# Allegro board 6089-103-RevB_76.brd (continued)
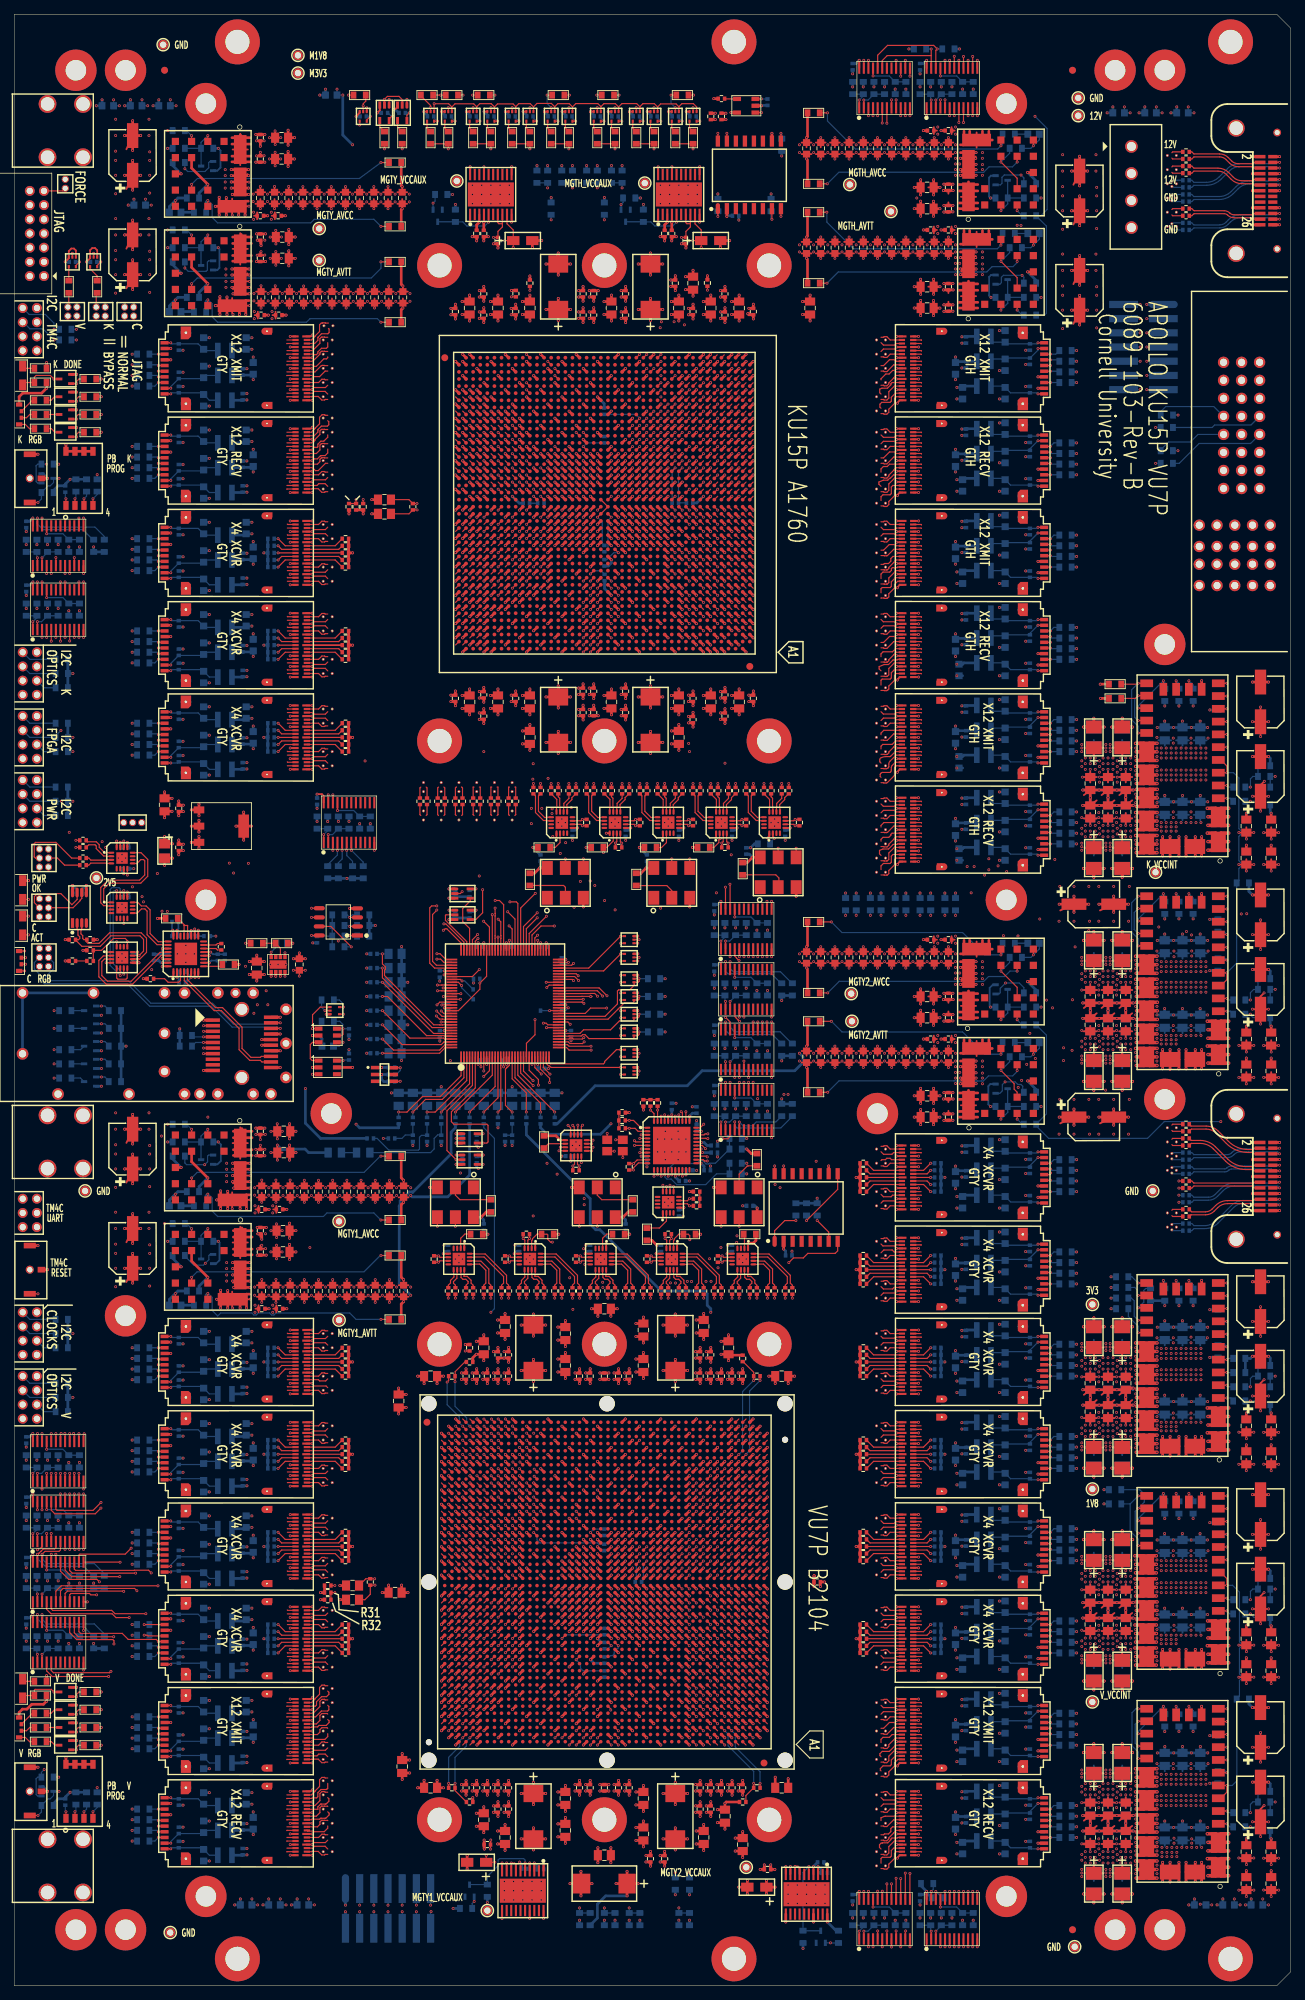
[diagram p0: board, top side]
## Routing (per net, layer and track width the routed paths; a pad name or vN(x,y) marks a point on that pad's centre or on a via; arc(x,y) is an arc through that point) (continued)
  GND3 w0.254: 43.15,31.71 43.56,31.9 ; 43.56,31.9 43.24,32.22 ; 43.56,31.9 43.56,32.28 ; 43.56,31.9 43.56,31.52 ; 43.56,31.9 43.38,31.49 ; 43.56,31.9 43.18,31.9 ; 43.56,31.9 43.24,31.58 ; 43.56,31.9 43.15,32.09 ; VA83.3 123.25,192.71 ; VA83.3 123.02,193.31 ; VA83.3 123.22,192.9 ; VA83.3 122.83,193.28 ; VA83.3 123.16,193.22 ; VA83.3 123.25,193.09 ; VA83.3 122.83,192.52 ; VA83.3 123.16,192.58 ; VA90.3 123.25,177.71 ; VA90.3 122.83,178.28 ; VA90.3 123.22,177.9 ; VA90.3 123.16,177.58 ; VA90.3 123.02,178.31 ; VA90.3 123.25,178.09 ; VA90.3 122.83,177.52 ; VA90.3 123.16,178.22 ; U104.G1 142.19,223.84 ; U104.G1 141.47,223.62 ; U104.G1 142.91,222.18 ; U104.G1 141.47,222.18 ; U104.G1 142.19,221.96 ; U104.G1 141.79,221.97 ; U104.G1 142.91,223.62 ; U104.G1 141.25,222.9 ; J16.1 15.43,164.59 ; J16.1 15.97,163.36 ; J16.1 14.89,164.44 ; J16.1 14.89,163.36 ; J16.1 14.74,163.9 ; J16.1 15.13,163.21 ; J16.1 15.43,163.21 ; J16.1 15.97,164.44 ; P1.P2-3 175.31,203.54 ; P1.P2-3 174.57,203.78 ; P1.P2-3 173.83,203.54 ; P1.P2-3 175.55,202.8 ; P1.P2-3 175.31,202.06 ; P1.P2-3 173.83,202.06 ; P1.P2-3 174.57,201.82 ; P1.P2-3 173.59,202.8 ; U116.G1 142.91,31.62 ; U116.G1 141.79,29.97 ; U116.G1 142.19,31.84 ; U116.G1 141.25,30.9 ; U116.G1 141.47,30.18 ; U116.G1 142.19,29.96 ; U116.G1 141.47,31.62 ; U116.G1 142.91,30.18 ; 31.2,139 U13.21 ; U13.21 30.3,139.9 ; U13.21 30.51,140.59 ; U13.21 31.2,140.8 ; U13.21 32.1,139.9 ; U13.21 31.89,140.59 ; U13.21 31.89,139.21 ; U13.21 30.51,139.21 ; VA26.3 45.22,85.9 ; VA26.3 44.84,85.52 ; VA26.3 45.16,86.22 ; VA26.3 45.16,85.58 ; VA26.3 45.25,86.09 ; VA26.3 45.02,86.31 ; VA26.3 44.84,86.28 ; VA26.3 45.25,85.71 ; VA4.4 45.25,225.71 ; VA4.4 45.22,225.9 ; VA4.4 45.02,226.31 ; VA4.4 45.16,225.58 ; VA4.4 44.84,225.52 ; VA4.4 45.25,226.09 ; VA4.4 44.84,226.28 ; VA4.4 45.16,226.22 ; J8.7 2.07,79.52 ; J8.7 1.58,80.77 ; J8.7 1.2,79.02 ; J8.7 1.2,80.78 ; J8.7 2.08,79.9 ; J8.7 1.87,80.57 ; J8.7 1.87,79.23 ; J8.7 2.07,80.28 ; VA81.4 121.56,198.28 ; VA81.4 121.15,197.71 ; VA81.4 121.18,197.9 ; VA81.4 121.24,197.58 ; VA81.4 121.56,197.52 ; VA81.4 121.38,197.49 ; VA81.4 121.15,198.09 ; VA81.4 121.24,198.22 ; VA133.3 123.25,22.71 ; VA133.3 123.25,23.09 ; VA133.3 123.16,22.58 ; VA133.3 123.22,22.9 ; VA133.3 122.83,23.28 ; VA133.3 122.83,22.52 ; VA133.3 123.16,23.22 ; VA133.3 123.02,23.31 ; 44.84,199.52 VA14.3 ; VA14.3 45.22,199.9 ; VA14.3 45.16,199.58 ; VA14.3 45.25,200.09 ; VA14.3 45.16,200.22 ; VA14.3 45.25,199.71 ; VA14.3 44.84,200.28 ; VA14.3 45.02,200.31 ; VA129.3 123.16,32.22 ; VA129.3 123.22,31.9 ; VA129.3 122.83,31.52 ; VA129.3 123.25,32.09 ; VA129.3 122.83,32.28 ; VA129.3 123.16,31.58 ; VA129.3 123.02,32.31 ; VA129.3 123.25,31.71 ; U108.G2 142.19,181.84 ; U108.G2 141.47,180.18 ; U108.G2 142.91,180.18 ; U108.G2 141.25,180.9 ; U108.G2 141.47,181.62 ; U108.G2 141.79,179.97 ; U108.G2 142.91,181.62 ; U108.G2 142.19,179.96 ; VA2.4 45.02,230.31 ; VA2.4 45.25,229.71 ; VA2.4 45.25,230.09 ; VA2.4 44.84,229.52 ; VA2.4 45.16,230.22 ; VA2.4 44.84,230.28 ; VA2.4 45.16,229.58 ; VA2.4 45.22,229.9 ; 121.56,231.52 VA65.4 ; VA65.4 121.24,232.22 ; VA65.4 121.24,231.58 ; VA65.4 121.18,231.9 ; VA65.4 121.56,232.28 ; VA65.4 121.15,232.09 ; VA65.4 121.15,231.71 ; VA65.4 121.38,231.49 ; 43.15,71.09 43.56,70.9 ; 43.56,70.9 43.24,71.22 ; 43.56,70.9 43.56,71.28 ; 43.56,70.9 43.38,70.49 ; 43.56,70.9 43.24,70.58 ; 43.56,70.9 43.15,70.71 ; 43.56,70.9 43.18,70.9 ; 43.56,70.9 43.56,70.52 ; VA91.3 123.25,176.09 ; VA91.3 123.02,176.31 ; VA91.3 123.16,176.22 ; VA91.3 123.16,175.58 ; VA91.3 122.83,176.28 ; VA91.3 123.25,175.71 ; VA91.3 123.22,175.9 ; VA91.3 122.83,175.52 ; 23.49,27.18 U30.G1 ; U30.G1 24.21,28.84 ; U30.G1 23.49,28.62 ; U30.G1 25.15,27.9 ; U30.G1 23.81,26.97 ; U30.G1 24.93,28.62 ; U30.G1 24.93,27.18 ; U30.G1 24.21,26.96 ; 121.15,219.09 VA71.4 ; VA71.4 121.56,219.28 ; VA71.4 121.15,218.71 ; VA71.4 121.38,218.49 ; VA71.4 121.24,219.22 ; VA71.4 121.56,218.52 ; VA71.4 121.24,218.58 ; VA71.4 121.18,218.9 ; 62.7,164.26 63.08,164.26 ; 62.7,164.26 63.11,164.08 ; 62.7,164.26 62.29,164.08 ; 62.7,164.26 62.32,164.26 ; 62.7,164.26 62.38,163.94 ; 62.7,164.26 62.7,163.88 ; 62.7,164.26 63.02,163.94 ; 62.7,164.26 62.51,163.85 ; 3.53,248.23 J1.9 ; J1.9 4.2,248.02 ; J1.9 3.53,249.57 ; J1.9 3.32,248.9 ; J1.9 4.87,248.23 ; J1.9 4.87,249.57 ; J1.9 5.08,248.9 ; J1.9 4.2,249.78 ; 121.15,165.09 VA96.4 ; VA96.4 121.18,164.9 ; VA96.4 121.24,165.22 ; VA96.4 121.38,164.49 ; VA96.4 121.24,164.58 ; VA96.4 121.56,164.52 ; VA96.4 121.56,165.28 ; VA96.4 121.15,164.71 ; 141.79,208.97 U105.G1 ; U105.G1 142.19,210.84 ; U105.G1 141.47,209.18 ; U105.G1 141.47,210.62 ; U105.G1 141.25,209.9 ; U105.G1 142.91,210.62 ; U105.G1 142.19,208.96 ; U105.G1 142.91,209.18 ; VA74.4 121.56,213.28 ; VA74.4 121.15,213.09 ; VA74.4 121.38,212.49 ; VA74.4 121.56,212.52 ; VA74.4 121.24,212.58 ; VA74.4 121.18,212.9 ; VA74.4 121.24,213.22 ; VA74.4 121.15,212.71 ; 43.15,90.09 43.56,89.9 ; 43.56,89.9 43.15,89.71 ; 43.56,89.9 43.18,89.9 ; 43.56,89.9 43.56,89.52 ; 43.56,89.9 43.38,89.49 ; 43.56,89.9 43.56,90.28 ; 43.56,89.9 43.24,89.58 ; 43.56,89.9 43.24,90.22 ; J8.8 3.2,80.78 ; J8.8 3.2,79.02 ; J8.8 3.87,79.23 ; J8.8 3.87,80.57 ; J8.8 2.32,79.9 ; J8.8 2.53,79.23 ; J8.8 4.08,79.9 ; J8.8 2.53,80.57 ; VA65.3 123.25,232.09 ; VA65.3 122.83,232.28 ; VA65.3 123.16,232.22 ; VA65.3 122.83,231.52 ; VA65.3 123.22,231.9 ; VA65.3 123.16,231.58 ; VA65.3 123.25,231.71 ; VA65.3 123.02,232.31 ; VA117.4 123.22,65.9 ; VA117.4 123.02,66.31 ; VA117.4 122.83,65.52 ; VA117.4 122.83,66.28 ; VA117.4 123.16,65.58 ; VA117.4 123.16,66.22 ; VA117.4 123.25,65.71 ; VA117.4 123.25,66.09 ; U24.G1 24.93,181.62 ; U24.G1 23.49,180.18 ; U24.G1 23.81,179.97 ; U24.G1 23.49,181.62 ; U24.G1 24.21,181.84 ; U24.G1 25.15,180.9 ; U24.G1 24.21,179.96 ; U24.G1 24.93,180.18 ; VA9.4 44.84,215.28 ; VA9.4 45.16,215.22 ; VA9.4 45.16,214.58 ; VA9.4 45.02,215.31 ; VA9.4 44.84,214.52 ; VA9.4 45.25,214.71 ; VA9.4 45.22,214.9 ; VA9.4 45.25,215.09 ; U13.24 39.07,132.03 ; U13.24 37.55,132.03 ; U13.24 37.55,133.55 ; U13.24 37.31,132.79 ; U13.24 39.07,133.55 ; U13.24 38.31,133.79 ; U13.24 39.32,132.79 ; U13.24 38.31,131.78 ; VA114.4 123.25,77.09 ; VA114.4 123.25,76.71 ; VA114.4 123.16,77.22 ; VA114.4 123.16,76.58 ; VA114.4 122.83,77.28 ; VA114.4 123.22,76.9 ; VA114.4 122.83,76.52 ; VA114.4 123.02,77.31 ; 121.15,170.09 VA94.4 ; VA94.4 121.18,169.9 ; VA94.4 121.38,169.49 ; VA94.4 121.56,170.28 ; VA94.4 121.15,169.71 ; VA94.4 121.24,170.22 ; VA94.4 121.56,169.52 ; VA94.4 121.24,169.58 ; 121.18,195.9 VA82.4 ; VA82.4 121.38,195.49 ; VA82.4 121.24,196.22 ; VA82.4 121.15,195.71 ; VA82.4 121.56,195.52 ; VA82.4 121.56,196.28 ; VA82.4 121.24,195.58 ; VA82.4 121.15,196.09 ; VA8.4 44.84,217.28 ; VA8.4 45.16,217.22 ; VA8.4 45.02,217.31 ; VA8.4 45.22,216.9 ; VA8.4 45.25,216.71 ; VA8.4 45.25,217.09 ; VA8.4 44.84,216.52 ; VA8.4 45.16,216.58 ; 121.38,190.49 VA84.4 ; VA84.4 121.24,191.22 ; VA84.4 121.56,191.28 ; VA84.4 121.24,190.58 ; VA84.4 121.56,190.52 ; VA84.4 121.18,190.9 ; VA84.4 121.15,190.71 ; VA84.4 121.15,191.09 ; P1.13 173.77,220.39 ; P1.13 172.05,221.13 ; P1.13 173.03,220.15 ; P1.13 173.77,221.87 ; P1.13 173.03,222.11 ; P1.13 172.29,221.87 ; P1.13 174.01,221.13 ; P1.13 172.29,220.39 ; 65.01,163.85 65.2,164.26 ; 65.2,164.26 65.52,163.94 ; 65.2,164.26 65.58,164.26 ; 65.2,164.26 65.2,163.88 ; 65.2,164.26 64.88,163.94 ; 65.2,164.26 64.79,164.08 ; 65.2,164.26 65.61,164.08 ; 65.2,164.26 64.82,164.26 ; 43.24,224.22 43.56,223.9 ; 43.56,223.9 43.15,223.71 ; 43.56,223.9 43.15,224.09 ; 43.56,223.9 43.56,223.52 ; 43.56,223.9 43.38,223.49 ; 43.56,223.9 43.18,223.9 ; 43.56,223.9 43.24,223.58 ; 43.56,223.9 43.56,224.28 ; 162.24,117.22 VA145.4 ; VA145.4 162.38,116.49 ; VA145.4 162.24,116.58 ; VA145.4 162.15,117.09 ; VA145.4 162.15,116.71 ; VA145.4 162.56,117.28 ; VA145.4 162.56,116.52 ; VA145.4 162.18,116.9 ; VA47.4 45.25,26.71 ; VA47.4 45.16,26.58 ; VA47.4 44.84,26.52 ; VA47.4 45.16,27.22 ; VA47.4 45.22,26.9 ; VA47.4 45.25,27.09 ; VA47.4 45.02,27.31 ; VA47.4 44.84,27.28 ; 23.49,66.18 U27.G1 ; U27.G1 23.81,65.97 ; U27.G1 24.93,66.18 ; U27.G1 24.93,67.62 ; U27.G1 24.21,67.84 ; U27.G1 24.21,65.96 ; U27.G1 23.49,67.62 ; U27.G1 25.15,66.9 ; 60.01,163.85 60.2,164.26 ; 60.2,164.26 59.82,164.26 ; 60.2,164.26 60.52,163.94 ; 60.2,164.26 59.88,163.94 ; 60.2,164.26 59.79,164.08 ; 60.2,164.26 60.2,163.88 ; 60.2,164.26 60.61,164.08 ; 60.2,164.26 60.58,164.26 ; U25.G1 24.21,93.84 ; U25.G1 23.49,93.62 ; U25.G1 24.21,91.96 ; U25.G1 25.15,92.9 ; U25.G1 24.93,93.62 ; U25.G1 24.93,92.18 ; U25.G1 23.49,92.18 ; U25.G1 23.81,91.97 ; J3.8 3.87,182.57 ; J3.8 3.2,182.78 ; J3.8 4.08,181.9 ; J3.8 3.87,181.23 ; J3.8 3.2,181.02 ; J3.8 2.32,181.9 ; J3.8 2.53,181.23 ; J3.8 2.53,182.57 ; VA74.3 122.83,213.28 ; VA74.3 123.16,212.58 ; VA74.3 123.02,213.31 ; VA74.3 123.22,212.9 ; VA74.3 123.25,213.09 ; VA74.3 123.25,212.71 ; VA74.3 122.83,212.52 ; VA74.3 123.16,213.22 ; VA22.3 45.25,174.09 ; VA22.3 45.16,174.22 ; VA22.3 44.84,173.52 ; VA22.3 45.25,173.71 ; VA22.3 45.02,174.31 ; VA22.3 44.84,174.28 ; VA22.3 45.22,173.9 ; VA22.3 45.16,173.58 ; VA40.4 45.02,42.31 ; VA40.4 44.84,41.52 ; VA40.4 45.16,42.22 ; VA40.4 45.25,41.71 ; VA40.4 45.16,41.58 ; VA40.4 45.25,42.09 ; VA40.4 44.84,42.28 ; VA40.4 45.22,41.9 ; 43.15,47.09 43.56,46.9 ; 43.56,46.9 43.15,46.71 ; 43.56,46.9 43.24,47.22 ; 43.56,46.9 43.24,46.58 ; 43.56,46.9 43.56,46.52 ; 43.56,46.9 43.18,46.9 ; 43.56,46.9 43.38,46.49 ; 43.56,46.9 43.56,47.28 ; 121.18,214.9 VA73.4 ; VA73.4 121.38,214.49 ; VA73.4 121.15,215.09 ; VA73.4 121.56,215.28 ; VA73.4 121.56,214.52 ; VA73.4 121.24,215.22 ; VA73.4 121.24,214.58 ; VA73.4 121.15,214.71 ; 43.24,228.22 43.56,227.9 ; 43.56,227.9 43.24,227.58 ; 43.56,227.9 43.18,227.9 ; 43.56,227.9 43.15,228.09 ; 43.56,227.9 43.38,227.49 ; 43.56,227.9 43.15,227.71 ; 43.56,227.9 43.56,228.28 ; 43.56,227.9 43.56,227.52 ; 121.56,22.52 VA133.4 ; VA133.4 121.24,22.58 ; VA133.4 121.56,23.28 ; VA133.4 121.15,22.71 ; VA133.4 121.38,22.49 ; VA133.4 121.18,22.9 ; VA133.4 121.15,23.09 ; VA133.4 121.24,23.22 ; 163.84,106.9 164.25,107.09 ; 163.84,106.9 164.02,107.31 ; 163.84,106.9 163.84,106.52 ; 163.84,106.9 164.16,107.22 ; 163.84,106.9 163.84,107.28 ; 163.84,106.9 164.22,106.9 ; 163.84,106.9 164.25,106.71 ; 163.84,106.9 164.16,106.58 ; 43.15,76.71 43.56,76.9 ; 43.56,76.9 43.15,77.09 ; 43.56,76.9 43.18,76.9 ; 43.56,76.9 43.56,77.28 ; 43.56,76.9 43.24,76.58 ; 43.56,76.9 43.56,76.52 ; 43.56,76.9 43.24,77.22 ; 43.56,76.9 43.38,76.49 ; 43.15,230.09 43.56,229.9 ; 43.56,229.9 43.18,229.9 ; 43.56,229.9 43.24,229.58 ; 43.56,229.9 43.56,230.28 ; 43.56,229.9 43.38,229.49 ; 43.56,229.9 43.24,230.22 ; 43.56,229.9 43.15,229.71 ; 43.56,229.9 43.56,229.52 ; 121.15,25.09 VA132.4 ; VA132.4 121.38,24.49 ; VA132.4 121.24,25.22 ; VA132.4 121.56,24.52 ; VA132.4 121.56,25.28 ; VA132.4 121.24,24.58 ; VA132.4 121.18,24.9 ; VA132.4 121.15,24.71 ; 163.84,247.9 164.25,248.09 ; 163.84,247.9 163.84,248.28 ; 163.84,247.9 164.02,248.31 ; 163.84,247.9 164.22,247.9 ; 163.84,247.9 164.16,248.22 ; 163.84,247.9 164.25,247.71 ; 163.84,247.9 164.16,247.58 ; 163.84,247.9 163.84,247.52 ; VA125.3 123.22,39.9 ; VA125.3 122.83,39.52 ; VA125.3 123.16,39.58 ; VA125.3 123.16,40.22 ; VA125.3 123.25,39.71 ; VA125.3 122.83,40.28 ; VA125.3 123.02,40.31 ; VA125.3 123.25,40.09 ; 43.15,225.71 43.56,225.9 ; 43.56,225.9 43.38,225.49 ; 43.56,225.9 43.15,226.09 ; 43.56,225.9 43.24,225.58 ; 43.56,225.9 43.56,226.28 ; 43.56,225.9 43.24,226.22 ; 43.56,225.9 43.18,225.9 ; 43.56,225.9 43.56,225.52 ; 121.18,35.9 VA127.4 ; VA127.4 121.38,35.49 ; VA127.4 121.24,35.58 ; VA127.4 121.15,35.71 ; VA127.4 121.24,36.22 ; VA127.4 121.15,36.09 ; VA127.4 121.56,36.28 ; VA127.4 121.56,35.52 ; VA54.4 57.7,165.92 ; VA54.4 57.89,165.95 ; VA54.4 57.32,165.53 ; VA54.4 58.11,165.72 ; VA54.4 58.08,165.53 ; VA54.4 58.02,165.86 ; VA54.4 57.38,165.86 ; VA54.4 57.29,165.72 ; VA80.3 123.16,199.58 ; VA80.3 123.02,200.31 ; VA80.3 123.25,200.09 ; VA80.3 123.16,200.22 ; VA80.3 123.22,199.9 ; VA80.3 122.83,200.28 ; VA80.3 123.25,199.71 ; VA80.3 122.83,199.52 ; 67.7,168.26 68.02,167.94 ; 67.7,168.26 68.11,168.08 ; 67.7,168.26 67.29,168.08 ; 67.7,168.26 67.38,167.94 ; 67.7,168.26 67.51,167.85 ; 67.7,168.26 67.7,167.88 ; 67.7,168.26 68.08,168.26 ; 67.7,168.26 67.32,168.26 ; VA128.3 123.25,33.71 ; VA128.3 123.22,33.9 ; VA128.3 123.16,34.22 ; VA128.3 123.02,34.31 ; VA128.3 122.83,33.52 ; VA128.3 123.25,34.09 ; VA128.3 123.16,33.58 ; VA128.3 122.83,34.28 ; 122.83,179.52 VA89.3 ; VA89.3 122.83,180.28 ; VA89.3 123.16,179.58 ; VA89.3 123.22,179.9 ; VA89.3 123.25,179.71 ; VA89.3 123.16,180.22 ; VA89.3 123.02,180.31 ; VA89.3 123.25,180.09 ; U113.G1 142.91,70.62 ; U113.G1 141.25,69.9 ; U113.G1 141.47,69.18 ; U113.G1 142.19,68.96 ; U113.G1 142.91,69.18 ; U113.G1 141.79,68.97 ; U113.G1 142.19,70.84 ; U113.G1 141.47,70.62 ; 121.24,111.58 VA103.4 ; VA103.4 121.56,112.28 ; VA103.4 121.24,112.22 ; VA103.4 121.15,111.71 ; VA103.4 121.38,111.49 ; VA103.4 121.15,112.09 ; VA103.4 121.56,111.52 ; VA103.4 121.18,111.9 ; 172.29,224.41 P1.14 ; P1.14 173.77,222.93 ; P1.14 173.03,222.69 ; P1.14 174.01,223.67 ; P1.14 172.29,222.93 ; P1.14 172.05,223.67 ; P1.14 173.03,224.65 ; P1.14 173.77,224.41 ; VA119.3 122.83,60.28 ; VA119.3 123.02,60.31 ; VA119.3 123.16,59.58 ; VA119.3 122.83,59.52 ; VA119.3 123.25,60.09 ; VA119.3 123.22,59.9 ; VA119.3 123.25,59.71 ; VA119.3 123.16,60.22 ; 156.69,246.93 157.5,247.74 ; 157.5,247.74 158.31,246.93 ; 157.5,247.74 157.5,246.67 ; 157.5,247.74 158.31,248.54 ; 157.5,247.74 156.69,248.54 ; 157.5,247.74 157.5,248.8 ; 157.5,247.74 156.43,247.74 ; 157.5,247.74 158.57,247.74 ; 122.83,216.52 VA72.3 ; VA72.3 123.02,217.31 ; VA72.3 123.25,217.09 ; VA72.3 122.83,217.28 ; VA72.3 123.16,217.22 ; VA72.3 123.22,216.9 ; VA72.3 123.16,216.58 ; VA72.3 123.25,216.71 ; 43.18,192.9 43.56,192.9 ; 43.56,192.9 43.56,192.52 ; 43.56,192.9 43.24,192.58 ; 43.56,192.9 43.56,193.28 ; 43.56,192.9 43.38,192.49 ; 43.56,192.9 43.15,192.71 ; 43.56,192.9 43.15,193.09 ; 43.56,192.9 43.24,193.22 ; VA68.3 123.16,226.22 ; VA68.3 122.83,226.28 ; VA68.3 123.25,226.09 ; VA68.3 123.16,225.58 ; VA68.3 122.83,225.52 ; VA68.3 123.02,226.31 ; VA68.3 123.22,225.9 ; VA68.3 123.25,225.71 ; P1.12 173.03,219.57 ; P1.12 173.77,217.85 ; P1.12 172.05,218.59 ; P1.12 172.29,217.85 ; P1.12 174.01,218.59 ; P1.12 172.29,219.33 ; P1.12 173.77,219.33 ; P1.12 173.03,217.61 ; 20.52,128.16 U13.37 ; U13.37 22.07,128.83 ; U13.37 21.86,128.16 ; U13.37 21.19,129.7 ; U13.37 21.19,127.95 ; U13.37 20.32,128.83 ; U13.37 21.86,129.5 ; U13.37 20.52,129.5 ; VA38.3 45.02,47.31 ; VA38.3 44.84,47.28 ; VA38.3 45.22,46.9 ; VA38.3 45.25,46.71 ; VA38.3 45.25,47.09 ; VA38.3 45.16,47.22 ; VA38.3 45.16,46.58 ; VA38.3 44.84,46.52 ; U22.G1 25.15,206.9 ; U22.G1 23.81,205.97 ; U22.G1 23.49,207.62 ; U22.G1 24.93,206.18 ; U22.G1 23.49,206.18 ; U22.G1 24.21,205.96 ; U22.G1 24.93,207.62 ; U22.G1 24.21,207.84 ; J7.7 1.87,89.57 ; J7.7 2.08,88.9 ; J7.7 1.58,89.77 ; J7.7 2.07,89.28 ; J7.7 1.2,88.02 ; J7.7 2.07,88.52 ; J7.7 1.2,89.78 ; J7.7 1.87,88.23 ; 122.83,52.52 VA121.4 ; VA121.4 123.25,53.09 ; VA121.4 123.22,52.9 ; VA121.4 123.16,52.58 ; VA121.4 122.83,53.28 ; VA121.4 123.16,53.22 ; VA121.4 123.02,53.31 ; VA121.4 123.25,52.71 ; 43.56,83.9 43.56,84.28 ; 43.56,83.9 43.15,84.09 ; 43.56,83.9 43.24,84.22 ; 43.56,83.9 43.24,83.58 ; 43.56,83.9 43.15,83.71 ; 43.56,83.9 43.38,83.49 ; 43.56,83.9 43.18,83.9 ; 43.56,83.9 43.56,83.52 ; U110.G1 142.91,109.62 ; U110.G1 142.19,107.96 ; U110.G1 141.47,109.62 ; U110.G1 142.19,109.84 ; U110.G1 141.79,107.97 ; U110.G1 141.47,108.18 ; U110.G1 141.25,108.9 ; U110.G1 142.91,108.18 ; U20.G1 24.21,233.84 ; U20.G1 23.49,233.62 ; U20.G1 25.15,232.9 ; U20.G1 23.49,232.18 ; U20.G1 24.93,233.62 ; U20.G1 24.21,231.96 ; U20.G1 23.81,231.97 ; U20.G1 24.93,232.18 ; 121.38,182.49 VA88.4 ; VA88.4 121.56,183.28 ; VA88.4 121.15,182.71 ; VA88.4 121.56,182.52 ; VA88.4 121.24,183.22 ; VA88.4 121.15,183.09 ; VA88.4 121.24,182.58 ; VA88.4 121.18,182.9 ; 43.18,20.9 43.56,20.9 ; 43.56,20.9 43.15,21.09 ; 43.56,20.9 43.24,20.58 ; 43.56,20.9 43.56,21.28 ; 43.56,20.9 43.24,21.22 ; 43.56,20.9 43.15,20.71 ; 43.56,20.9 43.56,20.52 ; 43.56,20.9 43.38,20.49 ; 173.03,227.77 P1.16 ; P1.16 174.01,228.75 ; P1.16 172.05,228.75 ; P1.16 173.77,228.01 ; P1.16 173.77,229.49 ; P1.16 173.03,229.73 ; P1.16 172.29,228.01 ; P1.16 172.29,229.49 ; VA124.3 123.25,44.71 ; VA124.3 123.25,45.09 ; VA124.3 123.22,44.9 ; VA124.3 123.02,45.31 ; VA124.3 123.16,45.22 ; VA124.3 123.16,44.58 ; VA124.3 122.83,45.28 ; VA124.3 122.83,44.52 ; J6.5 1.87,107.57 ; J6.5 2.07,107.28 ; J6.5 1.2,107.78 ; J6.5 2.08,106.9 ; J6.5 1.87,106.23 ; J6.5 1.58,107.77 ; J6.5 2.07,106.52 ; J6.5 1.2,106.02 ; U112.G2 142.91,93.62 ; U112.G2 141.47,92.18 ; U112.G2 142.91,92.18 ; U112.G2 142.19,93.84 ; U112.G2 141.79,91.97 ; U112.G2 141.47,93.62 ; U112.G2 142.19,91.96 ; U112.G2 141.25,92.9 ; 141.47,220.62 U105.G2 ; U105.G2 141.79,218.97 ; U105.G2 141.47,219.18 ; U105.G2 142.91,220.62 ; U105.G2 142.91,219.18 ; U105.G2 141.25,219.9 ; U105.G2 142.19,218.96 ; U105.G2 142.19,220.84 ; P1.P2-1 177.81,202.06 ; P1.P2-1 177.07,203.78 ; P1.P2-1 176.33,202.06 ; P1.P2-1 178.05,202.8 ; P1.P2-1 177.07,201.82 ; P1.P2-1 176.33,203.54 ; P1.P2-1 176.09,202.8 ; P1.P2-1 177.81,203.54 ; P1.10 173.03,214.49 ; P1.10 173.77,214.25 ; P1.10 174.01,213.51 ; P1.10 173.03,212.53 ; P1.10 172.05,213.51 ; P1.10 173.77,212.77 ; P1.10 172.29,214.25 ; P1.10 172.29,212.77 ; VA87.3 123.22,184.9 ; VA87.3 123.02,185.31 ; VA87.3 123.25,184.71 ; VA87.3 122.83,184.52 ; VA87.3 123.16,184.58 ; VA87.3 122.83,185.28 ; VA87.3 123.25,185.09 ; VA87.3 123.16,185.22 ; VA73.3 123.16,215.22 ; VA73.3 123.02,215.31 ; VA73.3 123.22,214.9 ; VA73.3 122.83,214.52 ; VA73.3 123.25,215.09 ; VA73.3 123.16,214.58 ; VA73.3 122.83,215.28 ; VA73.3 123.25,214.71 ; 122.83,72.52 VA115.3 ; VA115.3 123.16,73.22 ; VA115.3 123.25,72.71 ; VA115.3 122.83,73.28 ; VA115.3 123.25,73.09 ; VA115.3 123.16,72.58 ; VA115.3 123.22,72.9 ; VA115.3 123.02,73.31 ; 162.15,248.09 VA142.4 ; VA142.4 162.24,247.58 ; VA142.4 162.18,247.9 ; VA142.4 162.15,247.71 ; VA142.4 162.24,248.22 ; VA142.4 162.56,248.28 ; VA142.4 162.38,247.49 ; VA142.4 162.56,247.52 ; 121.15,105.09 VA105.3 ; VA105.3 121.38,104.49 ; VA105.3 121.24,105.22 ; VA105.3 121.18,104.9 ; VA105.3 121.24,104.58 ; VA105.3 121.56,105.28 ; VA105.3 121.15,104.71 ; VA105.3 121.56,104.52 ; 121.24,18.58 VA135.4 ; VA135.4 121.15,18.71 ; VA135.4 121.18,18.9 ; VA135.4 121.56,19.28 ; VA135.4 121.56,18.52 ; VA135.4 121.38,18.49 ; VA135.4 121.24,19.22 ; VA135.4 121.15,19.09 ; VA55.4 60.52,169.86 ; VA55.4 59.82,169.53 ; VA55.4 60.58,169.53 ; VA55.4 60.61,169.72 ; VA55.4 60.2,169.92 ; VA55.4 59.79,169.72 ; VA55.4 59.88,169.86 ; VA55.4 60.39,169.95 ; 121.38,208.49 VA76.4 ; VA76.4 121.15,209.09 ; VA76.4 121.24,208.58 ; VA76.4 121.56,208.52 ; VA76.4 121.24,209.22 ; VA76.4 121.15,208.71 ; VA76.4 121.56,209.28 ; VA76.4 121.18,208.9 ; 121.24,175.58 VA91.4 ; VA91.4 121.38,175.49 ; VA91.4 121.15,176.09 ; VA91.4 121.56,176.28 ; VA91.4 121.18,175.9 ; VA91.4 121.56,175.52 ; VA91.4 121.15,175.71 ; VA91.4 121.24,176.22 ; 122.83,35.52 VA127.3 ; VA127.3 123.22,35.9 ; VA127.3 122.83,36.28 ; VA127.3 123.02,36.31 ; VA127.3 123.25,36.09 ; VA127.3 123.25,35.71 ; VA127.3 123.16,35.58 ; VA127.3 123.16,36.22 ; 3.2,172.02 J4.8 ; J4.8 4.08,172.9 ; J4.8 3.87,173.57 ; J4.8 2.32,172.9 ; J4.8 3.87,172.23 ; J4.8 2.53,173.57 ; J4.8 3.2,173.78 ; J4.8 2.53,172.23 ; U24.G2 24.93,170.18 ; U24.G2 24.21,171.84 ; U24.G2 24.21,169.96 ; U24.G2 23.49,170.18 ; U24.G2 25.15,170.9 ; U24.G2 24.93,171.62 ; U24.G2 23.49,171.62 ; U24.G2 23.81,169.97 ; 121.38,199.49 VA80.4 ; VA80.4 121.24,200.22 ; VA80.4 121.18,199.9 ; VA80.4 121.24,199.58 ; VA80.4 121.56,199.52 ; VA80.4 121.15,199.71 ; VA80.4 121.15,200.09 ; VA80.4 121.56,200.28 ; 43.38,57.49 43.56,57.9 ; 43.56,57.9 43.56,57.52 ; 43.56,57.9 43.15,58.09 ; 43.56,57.9 43.24,57.58 ; 43.56,57.9 43.18,57.9 ; 43.56,57.9 43.15,57.71 ; 43.56,57.9 43.56,58.28 ; 43.56,57.9 43.24,58.22 ; 44.84,63.52 VA33.4 ; VA33.4 44.84,64.28 ; VA33.4 45.25,63.71 ; VA33.4 45.22,63.9 ; VA33.4 45.16,64.22 ; VA33.4 45.16,63.58 ; VA33.4 45.25,64.09 ; VA33.4 45.02,64.31 ; VA10.4 